# Altium PCB ROBOT_PCB_3.PcbDoc (part 1 of 3) (continued)
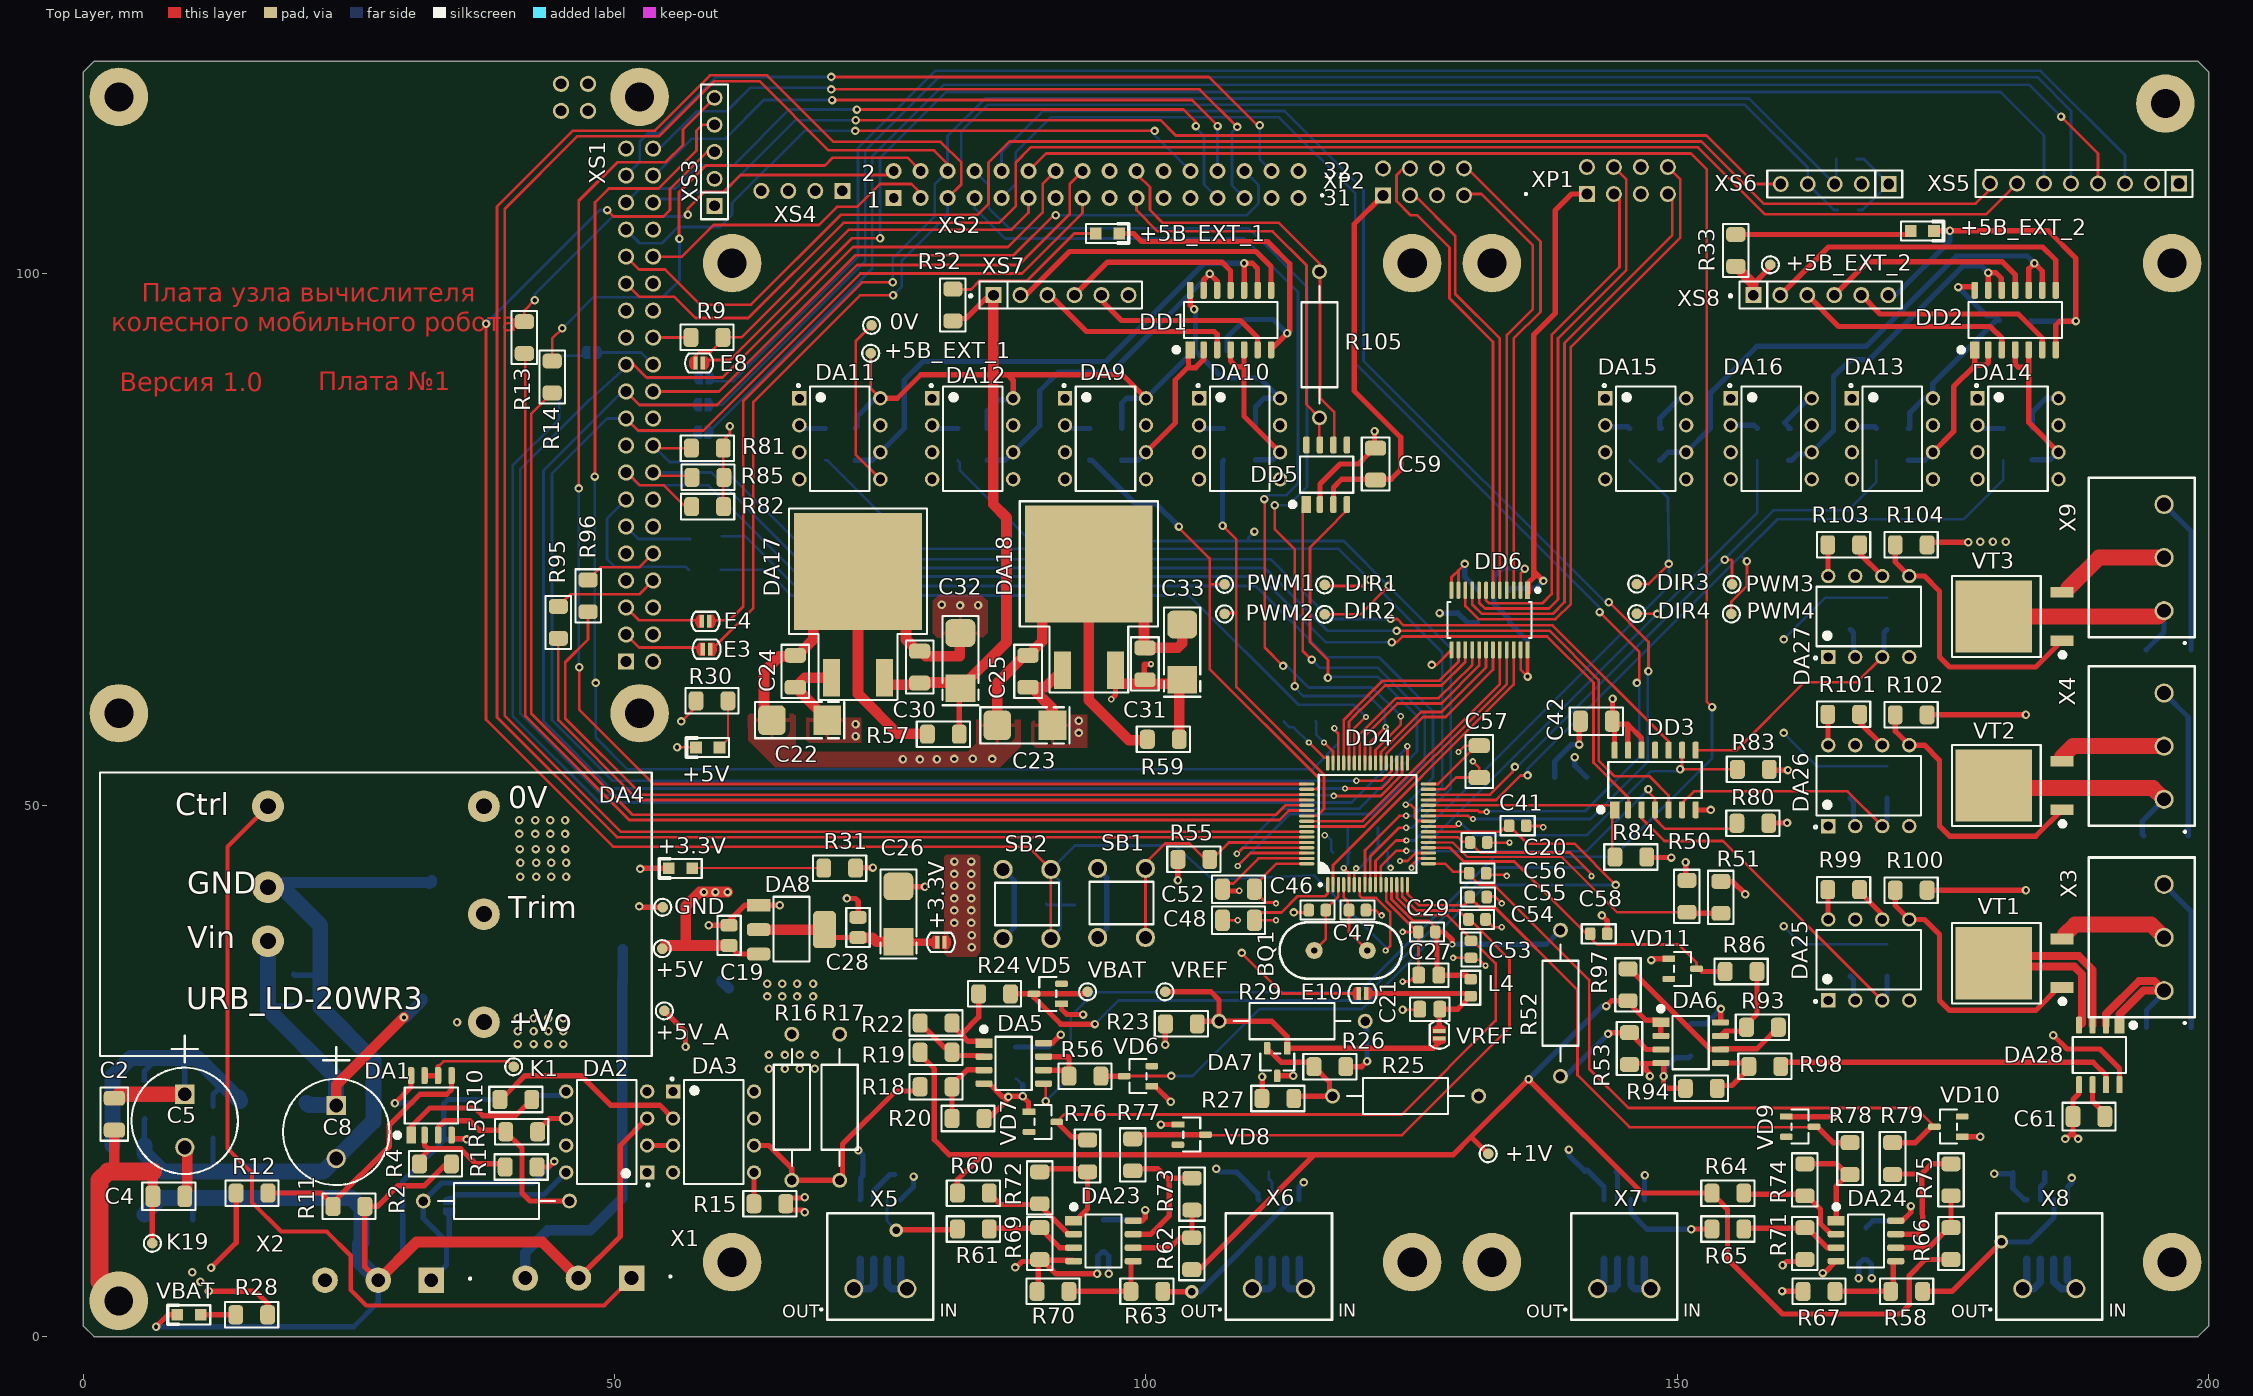
[diagram p0: Top Layer view]
## Components (designator, comment, footprint, x,y, rotation, side; value= is the part's Value field where it differs from the comment)
0V "*" E1(1MM) 74.175,95.15 r0 top (schematic designator K18)
+1V "*" E1(1MM) 132.2,17.2 r0 top (schematic designator K3)
+3.3V "ManufacturerPartNumber" E2 80.7,37.092 r180 top (schematic designator E11)
+3.3V "KP-2012SGC" LED0805 56.2,44.052 r180 top (schematic designator HL2)
+5B_EXT_1 "KP-2012SYCK" LED0805 96.37,103.8 r0 top (schematic designator HL3)
+5B_EXT_1 "*" E1(1MM) 74.1,92.525 r0 top (schematic designator K16)
+5B_EXT_2 "KP-2012SYCK" LED0805 173.05,104.025 r0 top (schematic designator HL4)
+5B_EXT_2 "*" E1(1MM) 158.75,100.85 r0 top (schematic designator K17)
+5V "KP-2012SURCK" LED0805 58.764,55.42 r180 top (schematic designator HL1)
+5V "*" E1(1MM) 54.475,36.5 r0 top (schematic designator K6)
+5V_A "*" E1(1MM) 54.675,30.65 r0 top (schematic designator K7)
BQ1 "Value" HC-49S 118.325,36.325 r180 top
BQ2 "Value" 32768SMD 120.4,47.7 r180 bottom
C1 "0,33 мк" C1206 10.3,9.3 r90 bottom
C2 "2200" C1206 2.925,20.925 r270 top
C3 "0,33 мк" C1206 5.725,22.6 r270 bottom
C4 "2200" C1206 8.05,13.2 r180 top
C5 "100 мк" Capacitor10x20 9.55,20.3 r270 top
C6 "0,1 мк" C1206 32.5,22 r0 bottom
C7 "0,1 мк" C1206 12.2,20.15 r270 bottom
C8 "100 мк" Capacitor10x20 23.8,19.25 r270 top
C9 "0,1 мк" C1206 19.8,32.6 r90 bottom
C10 "1000" R1206 33.375,31.775 r0 bottom
C11 "1000" R1206 34.275,42.95 r0 bottom
C12 "1 мк" C0805 40.5,35.147 r90 bottom
C13 "2200" C1206 49.335,33.168 r0 bottom
C14 "2200" C1206 49.267,36.458 r0 bottom
C15 "100 мк" "Case C" 43.675,35.575 r90 bottom
C16 "0,1 мк" C1206 151.25,27.9 r90 bottom
C17 "100 мк" "Case C" 61.025,30.05 r90 bottom
C18 "0,1 мк" C1206 87.75,25.75 r90 bottom
C19 "1 мк" C0805 60.763,37.75 r90 top
C20 "0,01 мк" C0603 131.3,46.495 r0 top
C21 "1 мк" C0805 126.7,30.8 r180 top
C22 "10 мк" "Case C" 67.4,58 r180 top
C23 "10 мк" "Case C" 88.6,57.511 r180 top
C24 "0,33 мк" C1206 67,62.6 r90 top
C25 "0,33 мк" C1206 88.9,62.6 r90 top
C26 "100 мкФ" "Case C" 76.7,39.756 r90 top
C27 "1 мк" C0805 126.605,34 r180 top
C28 "1 мк" C0805 72.9,38.492 r90 top
C29 "0,01 мк" C0603 126.425,38.075 r180 top
C30 "0,1 мк" C1206 78.7,63 r270 top
C31 "0,1 мк" C1206 99.9,63.3 r270 top
C32 "100 мк" "Case C" 82.535,63.6 r90 top
C33 "100 мк" "Case C" 103.4,64.4 r90 top
C34 "0,1 мк" C1206 89.1,40.7 r0 bottom
C35 "0,1 мк" C1206 106.15,92.75 r180 bottom
C36 "0,1 мк" C1206 181.8,95.6 r180 bottom
C37 "1000" C1206 74.85,15.575 r0 bottom
C38 "1000" C1206 110.05,15.475 r0 bottom
C39 "1000" C1206 142.75,15.5 r0 bottom
C40 "1000" C1206 183.06,15.401 r0 bottom
C41 "0,01 мк" C0603 134.975,48.075 r0 top
C42 "0,1 мк" C1206 142.375,57.9 r0 top
C43 "0,1 мк" C1206 114.464,57.874 r180 bottom
C44 "0,1 мк" C1206 96,9.5 r90 bottom
C45 "0,1 мк" C1206 167.75,8.75 r90 bottom
C46 "22" C0603 116.125,40.127 r180 top
C47 "22" C0603 119.9,40.127 r0 top
C48 "0,1 мк" C1206 108.7,39.171 r0 top
C49 "0,1 мк" C1206 139.95,52.625 r0 bottom
C50 "12" C0603 118.2,45.475 r180 bottom
C51 "12" C0603 121.95,45.5 r0 bottom
C52 "0,1 мк" C1206 108.7,42.1 r0 top
C53 "0,01 мк" C0603 130.575,36.433 r270 top
C54 "0,01 мк" C0603 131.15,39.25 r0 top
C55 "0,01 мк" C0603 131.25,41.35 r0 top
C56 "0,01 мк" C0603 131.2,43.6 r0 top
C57 "4,7 мк" C1206 131.35,54.1 r270 top
C58 "0,01 мк" C0603 142.6,37.9 r0 top
C59 "0,1 мк" C1206 121.6,82.1 r90 top
C60 "0,1 мк" C1206 132.75,70.225 r180 bottom
C61 "1000" C1206 188.725,20.7 r0 top
C62 "0,1 мк" C1206 132.7,67.175 r0 bottom
DA1 "LM358ADR" SOIC-8 32.75,21.75 r90 top
DA2 "6N136" 6N136 49.25,19.25 r180 top
DA3 "6N136" 6N136 59.31,19.25 r0 top
DA4 "Part Number" URB_LD-20WR3 27.54,39.74 r0 top locked
DA5 "OPA-2-8p" SOIC-8 87.55,25.705 r0 top value=LMV358IDR
DA6 "OPA-2-8p" SOIC-8 151.25,27.65 r0 top value=LMV358IDR
DA7 "ManufacturerPartNumber" SOT-23-3 112.35,25.831 r270 top value=TL431IDBZR.215
DA8 "ManufacturerPartNumber" SOT-223-3 66.65,38.292 r0 top
DA9 "6N136" 6N136 96.19,84.48 r0 top
DA10 "6N136" 6N136 108.81,84.48 r0 top
DA11 "6N136" 6N136 71.19,84.48 r0 top
DA12 "6N136" 6N136 83.69,84.48 r0 top
DA13 "6N136" 6N136 170.235,84.48 r0 top
DA14 "6N136" 6N136 182.055,84.48 r0 top
DA15 "6N136" 6N136 147.025,84.48 r0 top
DA16 "6N136" 6N136 158.835,84.48 r0 top
DA17 "ManufacturerPartNumber" D2PAK(TO-263) 72.9,67 r0 top
DA18 "ManufacturerPartNumber" D2PAK(TO-263) 94.625,67.7 r0 top
DA19 "ACS712ELCTR-05B-T" SOIC-8 75,10.075 r90 bottom
DA20 "ACS712ELCTR-05B-T" SOIC-8 112.5,10.075 r90 bottom
DA21 "ACS712ELCTR-05B-T" SOIC-8 145,10.075 r90 bottom
DA22 "ACS712ELCTR-05B-T" SOIC-8 184.8,10.075 r90 bottom
DA23 "OPA-2-8p" SOIC-8 96,9 r0 top value=LMV358IDR
DA24 "OPA-2-8p" SOIC-8 167.75,9 r0 top value=LMV358IDR
DA25 "6N136" 6N136 168.01,35.44 r90 top
DA26 "6N136" 6N136 168.01,51.84 r90 top
DA27 "6N136" 6N136 168.01,67.75 r90 top
DA28 "ACS712ELCTR-05B-T" SOIC-8 189.7,26.5 r270 top
DD1 "ManufacturerPartNumber" SOIC-14 107.96,95.65 r90 top value=SN74HC00D
DD2 "ManufacturerPartNumber" SOIC-14 181.8,95.65 r90 top value=SN74HC00D
DD3 "ManufacturerPartNumber" SOIC-14 147.9,52.37 r90 top value=SN74HC00D
DD4 "Микроконтроллер" "TI TQFP-64 PAG0064A" 120.85,48.245 r90 top locked
DD5 "MCP2551" SOIC-8 117,81.1 r90 top
DD6 "74LVC4245APW,118" TSSOP-24 132.325,67.425 r270 top
DIR1 "*" E1(1MM) 116.81,70.735 r0 top (schematic designator K12)
DIR2 "*" E1(1MM) 116.81,67.955 r0 top (schematic designator K13)
DIR3 "*" E1(1MM) 146.175,70.805 r0 top (schematic designator K14)
DIR4 "*" E1(1MM) 146.175,68.025 r90 top (schematic designator K15)
E1 "ManufacturerPartNumber" E2 34.45,12.25 r270 bottom
E2 "ManufacturerPartNumber" E2 47.85,92.6 r180 bottom
E3 "ManufacturerPartNumber" E2 58.65,64.675 r0 top
E4 "ManufacturerPartNumber" E2 58.55,67.3 r0 top
E5 "ManufacturerPartNumber" E2 58.43,90.205 r180 bottom
E6 "ManufacturerPartNumber" E2 58.325,85.1 r180 bottom
E7 "ManufacturerPartNumber" E2 58.325,87.675 r180 bottom
E8 "ManufacturerPartNumber" E2 57.95,91.6 r180 top
E10 "ManufacturerPartNumber" E2 120.375,32.275 r180 top
GND "*" E1(1MM) 54.525,40.394 r0 top (schematic designator K5)
K1 "*" E1(1MM) 40.5,25.385 r0 top
K19 "*" E1(1MM) 6.5,8.775 r0 top
L1 "Value" ACM7060-701-2PL-TL01 2.75,14.75 r90 bottom
L2 "4,7 мкГн" B82472G6472M000 17.8,22 r0 bottom
L3 "4,7 мкГн" B82472G6472M000 50.9,28 r0 bottom
L4 "18 мГн" R0603 130.55,32.825 r90 top
PWM1 "*" E1(1MM) 107.39,70.78 r270 top (schematic designator K8)
PWM2 "*" E1(1MM) 107.39,68 r90 top (schematic designator K9)
PWM3 "*" E1(1MM) 155.15,70.78 r270 top (schematic designator K10)
PWM4 "*" E1(1MM) 155.078,68 r0 top (schematic designator K11)
R1 "100 к" R1206 41.2,15.95 r0 top
R2 "20 к" С2-29В 32,12.75 r0 top
R3 "0" R1206 40.925,22.3 r0 bottom
R4 "30 к" R1206 33.135,16.25 r0 top
R5 "0" R1206 41.25,19.27 r0 top
R6 "1 к" R1206 58.58,75.3 r180 bottom
R7 "1 к" R1206 58.475,72.15 r180 bottom
R8 "1 к" R1206 44.8,90.8 r90 bottom
R9 "1 к" R1206 58.688,94.025 r180 top
R10 "2 к" R1206 40.7,22.3 r180 top
R11 "100 к" R1206 25,12.25 r0 top
R12 "100 к" R1206 15.88,13.5 r0 top
R13 "150" R1206 41.5,94 r270 top
R14 "150" R1206 44.125,90.3 r270 top
R15 "0" R1206 64.6,12.5 r0 top
R16 "8,25 к" С2-29В 66.675,14.7 r90 top
R17 "9,09 к" С2-29В 71.175,14.7 r90 top
R18 "10 к" R1206 80.25,23.5 r0 top
R19 "10 к" R1206 80.25,26.75 r0 top
R20 "100 к" R1206 83.25,20.52 r180 top
R21 "0" R1206 57.179,34.703 r270 bottom
R22 "100 к" R1206 80.25,29.5 r180 top
R23 "200" R1206 103.325,29.425 r0 top
R24 "2 к" R1206 85.75,32.25 r0 top
R25 "100 к" С2-29В 131.3,22.625 r180 top
R26 "2,2 к" R1206 117.3,25.4 r0 top
R27 "10 к" R1206 112.4,22.4 r0 top
R28 "10 к" R1206 15.85,2.05 r180 top
R29 "715" С2-29В 120.625,29.675 r180 top
R30 "1 к" R1206 59.163,59.82 r0 top
R31 "1 к" R1206 71.175,44.075 r180 top
R32 "1 к" R1206 81.825,97.075 r90 top
R33 "1 к" R1206 155.5,102.2 r90 top
R34 "1 к" R1206 94.715,83.945 r90 bottom
R35 "1 к" R1206 107.3,83.945 r90 bottom
R36 "1 к" R1206 69.815,83.945 r90 bottom
R37 "1 к" R1206 82.28,83.945 r270 bottom
R38 "1 к" R1206 168.725,83.945 r90 bottom
R39 "1 к" R1206 180.675,83.945 r90 bottom
R40 "1 к" R1206 145.515,83.945 r90 bottom
R41 "1 к" R1206 157.525,83.945 r270 bottom
R42 "10 к" R1206 97.715,83.945 r90 bottom
R43 "10 к" R1206 110.3,84 r90 bottom
R44 "10 к" R1206 72.615,83.945 r90 bottom
R45 "10 к" R1206 85.06,83.945 r90 bottom
R46 "10 к" R1206 171.735,83.945 r90 bottom
R47 "10 к" R1206 183.4,84 r90 bottom
R48 "10 к" R1206 148.35,83.945 r90 bottom
R49 "10 к" R1206 160.175,83.945 r90 bottom
R50 "10 к" R1206 150.9,41.427 r90 top
R51 "10 к" R1206 154.1,41.327 r90 top
R52 "23 к" С2-29В 139,24.49 r90 top
R53 "10 к" R1206 145.5,27.1 r90 top
R54 "10 к" R1206 94.8,40.6 r180 bottom
R55 "10 к" R1206 104.5,44.9 r0 top
R56 "2 к" R1206 94.25,24.5 r0 top
R57 "100 к" R1206 80.925,56.681 r0 top
R58 "10 к" R1206 171.58,4.25 r180 top
R59 "100 к" R1206 101.625,56.2 r0 top
R60 "10 к" R1206 83.75,13.5 r0 top
R61 "10 к" R1206 83.75,10.115 r0 top
R62 "10 к" R1206 104.3,7.8 r90 top
R63 "10 к" R1206 100.08,4.25 r180 top
R64 "10 к" R1206 154.75,13.5 r0 top
R65 "10 к" R1206 154.75,10.115 r0 top
R66 "10 к" R1206 175.75,8.75 r90 top
R67 "10 к" R1206 163.33,4.25 r180 top
R68 "100 к" R1206 37.323,35.354 r270 bottom
R69 "10 к" R1206 90,8.75 r270 top
R70 "10 к" R1206 91.25,4.25 r180 top
R71 "10 к" R1206 162,8.75 r270 top
R72 "10 к" R1206 90,14 r90 top
R73 "10 к" R1206 104.325,13.4 r90 top
R74 "10 к" R1206 162,14.75 r90 top
R75 "10 к" R1206 175.75,14.75 r90 top
R76 "2 к" R1206 94.5,17 r90 top
R77 "2 к" R1206 98.75,17.1 r90 top
R78 "2 к" R1206 166.25,16.75 r90 top
R79 "2 к" R1206 170.25,16.75 r90 top
R80 "100 к" R1206 157.1,48.3 r0 top
R81 "100 к" R1206 58.725,83.6 r0 top
R82 "100 к" R1206 58.75,78.1 r0 top
R83 "100 к" R1206 157.15,53.375 r0 top
R84 "100 к" R1206 145.619,45.127 r0 top
R85 "100 к" R1206 58.775,80.85 r0 top
R86 "2 к" R1206 156,34.35 r180 top
R87 "100 к" R1206 169.72,68.03 r90 bottom
R88 "100 к" R1206 169.72,35.41 r90 bottom
R89 "100 к" R1206 169.72,52.15 r90 bottom
R90 "1 к" R1206 166.28,35.41 r90 bottom
R91 "1 к" R1206 166.28,52.15 r90 bottom
R92 "1 к" R1206 166.28,68.03 r90 bottom
R93 "10 к" R1206 158,29.1 r180 top
R94 "10 к" R1206 152.25,23.35 r180 top
R95 "150" R1206 44.7,67.2 r270 top
R96 "150" R1206 47.5,69.7 r270 top
R97 "10 к" R1206 145.35,33.1 r90 top
R98 "10 к" R1206 158.225,25.425 r180 top
R99 "1 к" R1206 165.65,42.05 r180 top
R100 "10 к" R1206 172,42 r180 top
R101 "1 к" R1206 165.65,58.55 r180 top
R102 "10 к" R1206 172,58.5 r180 top
R103 "1 к" R1206 165.65,74.5 r180 top
R104 "10 к" R1206 172,74.5 r180 top
R105 "120" С2-29В 116.325,100.2 r270 top
R106 "4,7 к" R0805 165.9,110.8 r180 bottom
R107 "4,7 к" R0805 166.05,106 r180 bottom
SB1 "Value" KLS7-TS6601-7.0-180 97.7,40.8 r180 top
SB2 "Value" KLS7-TS6601-7.0-180 88.8,40.7 r0 top
VBAT "KP-2012SYCK" LED0805 9.95,2.05 r180 top (schematic designator HL5)
VBAT "*" E1(1MM) 94.5,32.442 r0 top (schematic designator K2)
VD1 "SM6T36CA" DO-214AA 23.85,8.7 r180 bottom
VD2 "Value" B340A 16.275,7.925 r0 bottom
VD3 "Value" B340A 16.4,4.525 r0 bottom
VD4 "SM6T36CA" DO-214AA 32.25,8.75 r0 bottom
VD5 "Suppressor" SOT-23-3 90.75,32.25 r180 top value=BZX84-C3V3
VD6 "Suppressor" SOT-23-3 99.25,24.5 r180 top value=BZX84-C3V3
VD7 "Suppressor" SOT-23-3 90.3,20.2 r0 top value=BZX84-C3V3
VD8 "Suppressor" SOT-23-3 104.3,19 r0 top value=BZX84-C3V3
VD9 "Suppressor" SOT-23-3 161.55,19.75 r0 top value=BZX84-C3V3
VD10 "Suppressor" SOT-23-3 175.5,19.75 r180 top value=BZX84-C3V3
VD11 "Suppressor" SOT-23-3 150.5,34.6 r0 top value=BZX84-C3V3
VD12 "Value" B340A 195.975,47.125 r180 bottom
VD13 "Value" B340A 196.225,64.625 r180 bottom
VD14 "Value" B340A 195.95,29.1 r180 bottom
VREF "ManufacturerPartNumber" E2 127.6,28.4 r90 top (schematic designator E9)
VREF "*" E1(1MM) 101.8,32.442 r0 top (schematic designator K4)
VT1 "IRFR024NTR" DPAK 181.74,35.13 r180 top
VT2 "IRFR024NTR" DPAK 181.74,51.85 r180 top
VT3 "IRFR024NTR" DPAK 181.74,67.75 r180 top
X1 "KLS2-300-5.00-03P-2S" KLS2-300-5.00-03P-2S 51.595,5.5 r180 top
X2 "KLS2-300-5.00-03P-2S" KLS2-300-5.00-03P-2S 32.75,5.3 r180 top
X3 "XY301RA-5.0-3P-12" XY301RA-5.0-3P-12 195.8,32.55 r90 top
X4 "XY301RA-5.0-3P-12" XY301RA-5.0-3P-12 195.8,50.55 r90 top
X5 "KLS2-301R-5.00-02P-2S" KLS2-301R-5.00-02P-2S 72.5,4.5 r0 top locked
X6 "KLS2-301R-5.00-02P-2S" KLS2-301R-5.00-02P-2S 110,4.5 r0 top locked
X7 "KLS2-301R-5.00-02P-2S" KLS2-301R-5.00-02P-2S 142.5,4.5 r0 top locked
X8 "KLS2-301R-5.00-02P-2S" KLS2-301R-5.00-02P-2S 182.5,4.5 r0 top locked
X9 "XY301RA-5.0-3P-12" XY301RA-5.0-3P-12 195.8,68.3 r90 top
XP1 "IDC-08MR" SAMTEC_TST-104-04-T-D-RA 141.485,107.51 r0 top
XP2 "IDC-08MR" SAMTEC_TST-104-04-T-D-RA 122.305,107.385 r0 top
XS1 "PBD-40" "RPI4B - DUPLICATE" 27.85,97.65 r90 top locked
XS2 "PBD-30" PBD-32R 76.25,107.135 r0 top locked
XS3 "PBS-5" PBS-5 59.4,111.48 r90 top locked
XS4 "PBS-4" TYPE-C 68.885,107.8 r180 top locked
XS5 "PBS-8" PBS-8 189.58,108.5 r180 top locked
XS6 "PBS-5" PBS-5 164.81,108.45 r180 top
XS7 "CON-6F driver" DRIVER 61.05,7 r0 top locked
XS8 "CON-6F driver" DRIVER 132.55,7 r0 top locked

## Footprints (in the part's own frame and the unit in brackets; to place one, negate y for a bottom-side part, rotate by r counter-clockwise, add the part's x,y. Pads: shape width x height; smd on the part's side, far side on the other; paste and mask are expansions set on the pad)
6N136 [mm]
  rect 1.35x1.35 hole 0.85: 1(-3.81,3.81)
  round 1.35 hole 0.85: 2(-3.81,1.27) 3(-3.81,-1.27) 4(-3.81,-3.81) 5(3.81,-3.81) 6(3.81,-1.27) 7(3.81,1.27) 8(3.81,3.81)
  silkscreen extent -4.04,-4.9 2.8,5.14, body extent -3.98,-4.83 3.94,4.83, height 5.08
32768SMD [mm] "32768SMD"
  rect 1.5x1.95 smd: 1(-1.425,0) 2(1.425,0)
  silkscreen extent -0.3,-0.88 0.3,0.87, body extent -1.75,-0.9 1.75,0.9, height 1
ACM7060-701-2PL-TL01 [mm]
  rect 2.5x1.5 smd: 1(-3.25,3) 2(-3.25,0) 3(3.25,0) 4(3.25,3)
  silkscreen extent -4.95,-1.22 4.92,4.2
B340A [mm] "(SMA) Low profile package"
  rrect40% 2.2x2 smd: A(2.1,0)
  rect 2.2x2 smd: C(-2.1,0)
  silkscreen extent -2.3,-1.5 2.3,1.5, body extent -2.6,-1.3 2.6,1.3, height 2.4
B82472G6472M000 [mm]
  rect 1.5x2.5 smd: 1(-3.2,0) 2(3.2,0)
  silkscreen extent -3.7,-3.7 3.7,3.7, body extent -3.65,-3.65 3.65,3.65, height 3.5
C0603 [mm] "1608(Metric)"
  rrect50% 1x1.2 smd: 1(-0.8,0) 2(0.8,0)
  silkscreen extent -1.6,-0.9 1.6,0.9, body extent -0.8,-0.5 0.8,0.5, height 1.1
C0805 [mm] "2012(Metric)"
  rrect50% 1.2x1.6 smd: 1(-0.95,0) 2(0.95,0)
  silkscreen extent -1.85,-1.1 1.85,1.1, body extent -1,-0.72 1,0.73, height 1.5
C1206 [mm] "3216(Metric)"
  rrect50% 1.4x2 smd: 1(-1.5,0) 2(1.5,0)
  silkscreen extent -2.5,-1.3 2.5,1.3, body extent -1.6,-0.9 1.6,0.9, height 1.5
Capacitor10x20 [mm]
  round 1.8 hole 1.3: n(2.5,0)
  rect 1.8x1.8 hole 1.3: p(-2.5,0)
  silkscreen extent -8,-5 5,5, body extent -5,-5 5,5, height 21
"Case C" [mm] "C6032-P"
  rrect40% 2.6x2.8 smd: n(2.6,0)
  rect 2.6x2.8 smd: p(-2.6,0)
  silkscreen extent -4.2,-1.7 4.2,1.7, body extent -3.15,-1.7 3.15,1.7, height 2.8
D2PAK(TO-263) [mm]
  rect 1.6x3.5 smd: 1(-2.5,-5) 3(2.5,-5)
  rect 12x11 smd: 2(0,5)
  silkscreen extent -6.5,-7.1 6.5,10.9, body extent -5,-5.78 5,10.1, height 4.3
DO-214AA [mm] "(SMB) Low profile package"
  rrect40% 2.6x2.4 smd: 1(2.2,0)
  rect 2.6x2.4 smd: 2(-2.2,0)
  silkscreen extent -2.8,-2 2.8,2, body extent -2.83,-1.97 2.83,1.98, height 2.45
DPAK [mm] "КТ-89, TO252"
  rect 2.2x1 smd: 1(-4.45,2.28) 3(-4.45,-2.28)
  rect 7.2x6.8 smd: 2(1.95,0)
  silkscreen extent -4.7,-3.8 5.9,3.8, body extent -4.97,-3.29 4.73,3.29, height 2.3
DRIVER [mm]
  rect 1.5x1.5 hole 1: 1(24.6,91)
  round 1.5 hole 1: 2(27.14,91) 3(29.68,91) 4(32.22,91) 5(34.76,91) 6(37.3,91)
  round 5.5 hole 2.75: S4(0,0) S4(0,94) S4(64,0) S4(64,94)
  silkscreen extent 22.33,89.73 38.57,92.27, body extent 23.34,89.71 38.58,92.24, height 8.6
E1(1MM) [mm]
  round 1 smd: 1(0,0)
  silkscreen extent -0.8,-0.8 0.8,0.8
E2 [mm] "Перемычка"
  rect 0.4x1.2 smd mask+0.1: 1(-0.35,0) 2(0.35,0)
  Top Layer region: -0.15,0.6 -0.7,0.6 -0.886,0.326 -0.953,0.002 -0.891,-0.323 -0.709,-0.6 -0.7,-0.6 -0.15,-0.6
  Top Layer region: 0.15,-0.6 0.7,-0.6 0.923,-0.221 0.926,0.218 0.709,0.6 0.7,0.6 0.15,0.6
  silkscreen extent -1.32,-0.9 1.32,0.9
HC-49S [mm] "HC49 Short Through-hole Mount Footprint"
  round 1.6 hole 0.6: 1(-2.5,0) 3(2.5,0)
  silkscreen extent -5.75,-2.65 5.75,2.65, body extent -5.68,-2.3 5.68,2.35, height 5
KLS2-300-5.00-03P-2S [mm]
  rect 2.4x2.4 / inner round 2.4 / far side rect 2.4x2.4 hole 1.3: 1(0,0)
  round 2.4 hole 1.3: 2(5,0) 3(10,0)
  silkscreen extent -3.75,-0.25 -3.55,-0.05, body extent -2.6,-4.8 13,4.2, height 12.6
KLS2-301R-5.00-02P-2S [mm]
  round 1.8 hole 1.3: 1(0,0) 2(5,0)
  silkscreen extent -3.15,-2.9 7.5,7.1, body extent -2.62,-3.02 7.62,7.22, height 7.7
KLS7-TS6601-7.0-180 [mm]
  round 1.8 hole 1.2: 1(-2.25,3.25) 1(-2.25,-3.25) 2(2.25,3.25) 2(2.25,-3.25)
  silkscreen extent -3,-2 3,2, body extent -3,-3.75 3,3.75, height 7
LED0805 [mm]
  rect 1.1x1.1 smd: a(-1.1,0) c(1.1,0)
  silkscreen extent -2,-0.9 2,0.9, body extent -1,-0.62 1,0.63, height 0.73
PBD-32R [mm] "Connector; Header; 3x2 Position"
  rect 1.5x1.5 hole 0.9: 1(0,0)
  round 1.5 hole 0.9: 2(0,2.54) 3(2.54,0) 4(2.54,2.54) 5(5.08,0) 6(5.08,2.54) 7(7.62,0) 8(7.62,2.54) 9(10.16,0) 10(10.16,2.54) 11(12.7,0) 12(12.7,2.54) 13(15.24,0) 14(15.24,2.54) 15(17.78,0) 16(17.78,2.54) 17(20.32,0) 18(20.32,2.54) 19(22.86,0) 20(22.86,2.54) 21(25.4,0) 22(25.4,2.54) 23(27.94,0) 24(27.94,2.54) 25(30.48,0) 26(30.48,2.54) 27(33.02,0) 28(33.02,2.54) 29(35.56,0) 30(35.56,2.54) 31(38.1,0) 32(38.1,2.54)
  body extent -1.27,-0.3 39.37,12.7, height 5
PBS-5 [mm]
  rect 1.5x1.5 hole 1: 1(-5.08,0)
  round 1.5 hole 1: 2(-2.54,0) 3(0,0) 4(2.54,0) 5(5.08,0)
  silkscreen extent -6.35,-1.27 6.35,1.27, body extent -6.35,-1.29 6.35,1.25, height 8.5
PBS-8 [mm]
  rect 1.5x1.5 hole 1: 1(-7.62,0)
  round 1.5 hole 1: 2(-5.08,0) 3(-2.54,0) 4(0,0) 5(2.54,0) 6(5.08,0) 7(7.62,0) 8(10.16,0)
  silkscreen extent -8.89,-1.27 11.53,1.27, body extent -8.89,-1.27 11.43,1.27, height 8.6
R0603 [mm] "1608(Metric)"
  rrect50% 1x1.2 smd: 1(-0.8,0) 2(0.8,0)
  silkscreen extent -1.6,-0.9 1.6,0.9, body extent -0.83,-0.5 0.83,0.5, height 0.4
R0805 [mm] "2012(Metric)"
  rrect50% 1.2x1.6 smd: 1(-0.95,0) 2(0.95,0)
  silkscreen extent -1.85,-1.1 1.85,1.1, body extent -1.03,-0.72 1.03,0.73, height 0.45
R1206 [mm] "3216M"
  rrect50% 1.4x1.8 smd: 1(-1.5,0) 2(1.5,0)
  silkscreen extent -2.5,-1.2 2.5,1.2, body extent -1.63,-0.9 1.63,0.9, height 0.5
"RPI4B - DUPLICATE" [mil]
  rect 60x60 / inner round 60 / far side rect 60x60 hole 40: 1(-1343.7,-914.57)
  round 60 hole 40: 2(-1343.7,-1014.57) 3(-1243.7,-914.57) 4(-1243.7,-1014.57) 5(-1143.7,-914.57) 6(-1143.7,-1014.57) 7(-1043.7,-914.57) 8(-1043.7,-1014.57) 9(-943.7,-914.57) 10(-943.7,-1014.57) 11(-843.7,-914.57) 12(-843.7,-1014.57) 13(-743.7,-914.57) 14(-743.7,-1014.57) 15(-643.7,-914.57) 16(-643.7,-1014.57) 17(-543.7,-914.57) 18(-543.7,-1014.57) 19(-443.7,-914.57) 20(-443.7,-1014.57) 21(-343.7,-914.57) 22(-343.7,-1014.57) 23(-243.7,-914.57) 24(-243.7,-1014.57) 25(-143.7,-914.57) 26(-143.7,-1014.57) 27(-43.7,-914.57) 28(-43.7,-1014.57) 29(56.3,-914.57) 30(56.3,-1014.57) 31(156.3,-914.57) 32(156.3,-1014.57) 33(256.3,-914.57) 34(256.3,-1014.57) 35(356.3,-914.57) 36(356.3,-1014.57) 37(456.3,-914.57) 38(456.3,-1014.57) 39(556.3,-914.57) 40(556.3,-1014.57) 41(796.46,-673.5) 42(796.46,-773.5) 43(696.46,-673.5) 44(696.46,-773.5)
  round 216.54 hole 108.27: S1(-1535.43,964.57) S2(748.03,964.57) S3(748.03,-964.57) S4(-1535.43,-964.57)
  body extent -1394,-1065 606,-865, height 343
SAMTEC_TST-104-04-T-D-RA [mm]
  rect 1.5x1.5 hole 1.02: 1(0,0)
  round 1.5 hole 1.02: 2(0,2.54) 3(2.54,0) 4(2.54,2.54) 5(5.08,0) 6(5.08,2.54) 7(7.62,0) 8(7.62,2.54)
  silkscreen extent -5.83,-0.1 -5.63,0.1, body extent -5.09,-0.33 12.69,12.31, height 9.3
SOIC-8 [mm] "4320.8-А Small Outline; 8 Leads; Body Width 3.9 mm; Pitch 1.27 mm"
  rect 1.6x0.9 smd: 1(-2.8,1.905)
  rrect50% 1.6x0.6 smd: 2(-2.8,0.635) 3(-2.8,-0.635) 4(-2.8,-1.905) 5(2.8,-1.905) 6(2.8,-0.635) 7(2.8,0.635) 8(2.8,1.905)
  silkscreen extent -3,-2.5 1.7,3.4, body extent -3.1,-2.5 3.1,2.5, height 1.73
SOIC-14 [mm] "JEDEC MS-012"
  rect 1.6x0.9 smd: 1(-2.8,3.81)
  rrect50% 1.6x0.6 smd: 2(-2.8,2.54) 3(-2.8,1.27) 4(-2.8,0) 5(-2.8,-1.27) 6(-2.8,-2.54) 7(-2.8,-3.81) 8(2.8,-3.81) 9(2.8,-2.54) 10(2.8,-1.27) 11(2.8,0) 12(2.8,1.27) 13(2.8,2.54) 14(2.8,3.81)
  silkscreen extent -3,-4.4 1.7,5.3, body extent -3.1,-4.4 3.1,4.4, height 1.73
SOT-23-3 [mm] "TO-236, SOT-346, SC59"
  rect 1.2x0.6 smd: 1(-1.3,0.95)
  rrect50% 1.2x0.6 smd: 2(-1.3,-0.95) 3(1.3,0)
  silkscreen extent -0.8,-1.6 0.8,1.6, body extent -1.17,-1.46 1.17,1.46, height 1
SOT-223-3 [mm]
  rect 2.2x1.2 smd: 1(-3.1,2.3)
  rrect50% 2.2x1.2 smd: 2(-3.1,0) 3(-3.1,-2.3)
  rrect40% 2.2x3.5 smd: 2(3.1,0)
  silkscreen extent -1.7,-3 1.7,3.09, body extent -3.5,-3.25 3.5,3.25, height 1.83
"TI TQFP-64 PAG0064A" [mm] "TQFP-64 Package , 64-Leades, 10.00 x 10.00 mm Body , 0.5 mm Pitch"
  oval 1.45x0.3 smd: 1(-5.725,3.75) 2(-5.725,3.25) 3(-5.725,2.75) 4(-5.725,2.25) 5(-5.725,1.75) 6(-5.725,1.25) 7(-5.725,0.75) 8(-5.725,0.25) 9(-5.725,-0.25) 10(-5.725,-0.75) 11(-5.725,-1.25) 12(-5.725,-1.75) 13(-5.725,-2.25) 14(-5.725,-2.75) 15(-5.725,-3.25) 16(-5.725,-3.75) 33(5.725,-3.75) 34(5.725,-3.25) 35(5.725,-2.75) 36(5.725,-2.25) 37(5.725,-1.75) 38(5.725,-1.25) 39(5.725,-0.75) 40(5.725,-0.25) 41(5.725,0.25) 42(5.725,0.75) 43(5.725,1.25) 44(5.725,1.75) 45(5.725,2.25) 46(5.725,2.75) 47(5.725,3.25) 48(5.725,3.75)
  oval 0.3x1.45 smd: 17(-3.75,-5.725) 18(-3.25,-5.725) 19(-2.75,-5.725) 20(-2.25,-5.725) 21(-1.75,-5.725) 22(-1.25,-5.725) 23(-0.75,-5.725) 24(-0.25,-5.725) 25(0.25,-5.725) 26(0.75,-5.725) 27(1.25,-5.725) 28(1.75,-5.725) 29(2.25,-5.725) 30(2.75,-5.725) 31(3.25,-5.725) 32(3.75,-5.725) 49(3.75,5.725) 50(3.25,5.725) 51(2.75,5.725) 52(2.25,5.725) 53(1.75,5.725) 54(1.25,5.725) 55(0.75,5.725) 56(0.25,5.725) 57(-0.25,5.725) 58(-0.75,5.725) 59(-1.25,5.725) 60(-1.75,5.725) 61(-2.25,5.725) 62(-2.75,5.725) 63(-3.25,5.725) 64(-3.75,5.725)
  silkscreen extent -5.85,-4.7 4.7,4.7, body extent -6,-6 6,6, height 1.2
TSSOP-24 [mm]
  rect 1.6x0.5 smd mask+0.2: 1(-2.8,3.575)
  rrect50% 1.6x0.35 smd mask+0.2: 2(-2.8,2.925) 3(-2.8,2.275) 4(-2.8,1.625) 5(-2.8,0.975) 6(-2.8,0.325) 7(-2.8,-0.325) 8(-2.8,-0.975) 9(-2.8,-1.625) 10(-2.8,-2.275) 11(-2.8,-2.925) 12(-2.8,-3.575) 13(2.8,-3.575) 14(2.8,-2.925) 15(2.8,-2.275) 16(2.8,-1.625) 17(2.8,-0.975) 18(2.8,-0.325) 19(2.8,0.325) 20(2.8,0.975) 21(2.8,1.625) 22(2.8,2.275) 23(2.8,2.925) 24(2.8,3.575)
  silkscreen extent -2.9,-3.95 1.7,4.65, body extent -3.3,-3.95 3.3,3.95, height 1.18
TYPE-C [mm]
  rect 1.5x1.5 hole 1: 1(-2.54,0)
  round 1.5 hole 1: 2(0,0) 3(2.54,0) 4(5.08,0)
URB_LD-20WR3 [mm]
  round 3 hole 1.5: 1(-10.16,10.16) 2(-10.16,2.54) 3(-10.16,-2.54) 4(10.16,-10.16) 5(10.16,0) 6(10.16,10.16)
  silkscreen extent -25.95,-13.35 25.95,13.35, body extent -25.4,-12.7 25.4,12.7, height 12
XY301RA-5.0-3P-12 [mm]
  round 1.8 hole 1.3: 1(0,0) 2(5,0) 3(10,0)
  silkscreen extent -3.15,-2.9 12.53,7.1, body extent -2.62,-3.02 12.47,7.22, height 7.7
С2-29В [mm]
  round 1.4 hole 0.9: 1(0,0) 2(13.75,0)
  silkscreen extent 1.38,-1.7 12.37,1.7, body extent -0.3,-1.75 14.05,1.75, height 4.5

## Part data
0V +1V +5B_EXT_1 +5B_EXT_2 +5V +5V_A DIR1 DIR2 DIR3 DIR4 GND K1 K19 PWM1 PWM2 PWM3 PWM4 VBAT VREF: library part КТ, "Контрольная точка", Type="Неразборное соединение"
+3.3V E1 E2 E3 E4 E5 E6 E7 E8 E10 VREF: library part E, "Перемычка", Type=Перемычка
+3.3V: Color=Green, Forward Current=25mA, Forward Voltage=2.5V, Manufacturer=Kingbright, Power Dissipation=62.5mW, Working Temperature Max=+85°С, Working Temperature Min=-40°С, Application Category=1, Article 1C=062604, ID=21, Leds=1, Part Number=KP-2012SGC, Type="Индикатор единичный"
+5B_EXT_1 +5B_EXT_2 VBAT: Color=Yellow, Forward Current=30mA, Forward Voltage=2.5V, Manufacturer=Kingbright, Power Dissipation=75mW, Working Temperature Max=+85°С, Working Temperature Min=-40°С, Application Category=1, Article 1C=0961238, ID=22, Leds=1, Luminous Flux=150, Part Number=KP-2012SYCK, Type="Индикатор единичный"
+5V: Color=Red, Forward Current=30mA, Forward Voltage=2.5V, Manufacturer=Kingbright, Power Dissipation=75mW, Working Temperature Max=+85°С, Working Temperature Min=-40°С, Application Category=1, Article 1C=-, ID=23, Leds=1, Luminous Flux=150, Part Number=KP-2012SURCK, Type="Индикатор единичный"
BQ1: library part HC-49S_8MHZ, Manufacturer=Китай, Part Number=8.000MHzHC-49US, Article=297062262, Price=38, Type="Резонатор кварцевый"
BQ2: library part 32768hz, "Кварцевый резонатор", Manufacturer=Китай, Article=9000372611, Part Number=32768hz, Price=98, Type="Резонатор кварцевый"
C1 C3 C24 C25: library part C1206C334K1RECAUTO7210, "Конденсатор 0,33 мкФ 100 В", Manufacturer=Kemet, Voltage="100 В", Article=8005311007, Part Number=C1206C334K1RECAUTO7210, Price=88, Type=Конденсатор
C2 C4 C13 C14: library part TCC1206X7R222J102DT, "Конденсатор 2200 пФ 1000 В", Manufacturer=CCTC, Voltage="1000 В", Article=9001208170, Part Number=TCC1206X7R222J102DT, Price=2, Type=Конденсатор
C5 C8: library part JRB2A101M05001000200000B, "Конденсатор электролитический алюминиевый", Manufacturer="JB Capactiors", Article=9000565887, Part Number=JRB2A101M05001000200000B, Price=24, Type=Конденсатор
C6 C7 C9 C16 C18 C30 C31 C34 C35 C36 C42 C43 C44 C45 C48 C49 C52 C59 C60 C62: library part "0.1 мкФ Х7R 100В 10% 1206", "Конденсатор 0,1 мкФ 100 В", Manufacturer=Китай, Voltage="1 кВ", Part Number="0.1 мкФ Х7R 100В 10% 1206", Price=6, Type=Конденсатор
C10 C11: library part GRM31BR73A102K, "Конденсатор 1000пФ", Manufacturer=Murata, Voltage="1 кВ", Article=961638233, Part Number=GRM31BR73A102K, Price=24, Type=Конденсатор
C12 C19 C21 C27 C28: library part "1 мкФ X7R 16В 10% 0805", "Конденсатор 1 мкФ 16 В", Manufacturer=Китай, Voltage="16 В", Article=768017701, Part Number="1 мкФ X7R 16В 10% 0805", Price=9, Type=Конденсатор
C15 C17 C32 C33: library part TECAP100/10VC, "Конденсатор танталовый 100 мкФ", Manufacturer=TECAP, Part Number="TECAP100/10VC, 10%", Article=9000629231, Price=39, Type=Конденсатор
C20 C29 C41 C53 C54 C55 C56 C58: library part "0.01 мкФ  X7R 50В 10% 0603", "Конденсатор 0,01 мкФ 50 В", Manufacturer=Murata, Voltage="50 В", Article=238964796, Part Number="0.01 мкФ  X7R 50В 10% 0603", Price=7, Type=Конденсатор
C22 C23: library part TECAP10/35VC, "Конденсатор танталовый 10 мкФ", Manufacturer=TECAP, Part Number="TECAP10/35VC, 10%", Voltage="35 В", Article=9000629228, Price=46, Type=Конденсатор
C26: library part "TECAP100/10VC, 10%", "Конденсатор танталовый 100 мкФ", Manufacturer=TECAP, Part Number="TECAP100/10VC, 10%", Price=39, Type=Конденсатор
C37 C38 C39 C40 C61: library part "1000пФ X7R 50В 10% 1206", "Конденсатор 1000пФ 50 В", Manufacturer=Китай, Voltage="50 В", Article=9000028006, Part Number="1000пФ X7R 50В 10% 1206", Price=9, Type=Конденсатор
C46 C47: library part GRM1885C1H220JA01D, "Конденсатор", Dielectric Type=NP0, Manufacturer=Murata, Tolerance=±5%, Voltage=50В, Working Temperature Max=+125°С, Working Temperature Min=-55°С, Application Category=1, ID=122, Part Number=GRM1885C1H220JA01D, Partnumber=GRM1885C1H220JA01D, Type=Конденсатор
C50 C51: library part GRM1885C1H120JA01D, "Конденсатор", Dielectric Type=NP0, Manufacturer=Murata, Tolerance=±5%, Voltage=50В, Working Temperature Max=+125°С, Working Temperature Min=-55°С, Application Category=1, ID=121, Part Number=GRM1885C1H120JA01D, Partnumber=GRM1885C1H120JA01D, Type=Конденсатор
C57: library part C3216X7R1E475KT000N, "Конденсатор 4,7 мкФ 25 В", Manufacturer=TDK, Voltage="25 В", Article=8017208948, Part Number=C3216X7R1E475KT000N, Price=22, Type=Конденсатор
DA1: "Операционный усилитель", Manufacturer=UMW, Package=SOP-8, Article=9001105975, Part Number=LM358ADR, Price=9, Type=Микросхема
DA2 DA3 DA9 DA10 DA11 DA12 DA13 DA14 DA15 DA16 DA25 DA26 DA27: "Оптопара транзисторная", Manufacturer=UMW, Package=dip-8, Article=9001106156, Part Number=6N136, Price=36, Type=Микросхема
DA4: library part "DC-DC URB2405LD-20WR3", "DC/DC преобразователь", Manufacturer=URB2405LD-20WR3, Part Number=Mornsun, Price=900, Type="Модуль питания"
DA5 DA6 DA23 DA24: library part LMV358IDR, Supply Current=210uA, Application Category=1, Bandwidth=1MHz, ID=45, Part Number=LMV358IDR, Rail-to-Rail=+\+, Slew Rate=1V/µs, Supply Operation=+2.7…5.5V, Type=Микросхема
DA7: library part TL431IDBZR.215, "Источник опорного напряжения", Input Voltage=36V, Manufacturer=Nexperia, Output Current=100mA, Reference current=10mA, Reference voltage=2495mV, Tolerance=2.0%, Total Power Dissipation=580mW, Working Temperature Max=+85°С, Working Temperature Min=-40°С, Application Category=1, Article 1C=0984668, Functional Analog=AS431H, ID=1, Part Number=TL431IDBZR.215, Type=Микросхема
DA8: library part AMS1117-3.3, "Стабилизатор напряжения", Manufacturer=UMW, Max Current=0.8A, Package=SOT-223, Article=9001169164, Part Number=AMS1117-3.3, Price=9, Type=Микросхема
DA17 DA18: library part L7805ACD2T-TR, "Стабилизатор напряжения", Manufacturer=STMicroelectronics, Max Current=1.5A, Package=D2PAK, Article=9000076530, Part Number=L7805ACD2T-TR, Price=76, Type=Микросхема
DA19 DA20 DA21 DA22 DA28: "Датчик тока", Manufacturer="Allegro Systems", Package=SOIC-8, Article=8010447146, Part Number=ACS712ELCTR-05B-T, Price=220
DD1 DD2 DD3: library part SN74HC00D, "SNx4HC00 Quadruple 2-Input NAND Gates", High-level output current=-20mA, Input Voltage (max)=5.9V, Low-level output current=20mA, Manufacturer="Texas Instruments", Output Voltage (max)=Vcc, Power dissipation (max)=-, Supply Current=20uA, Working Temperature Max=+85°C, Working Temperature Min=-40°C, Application Category=1, Article 1C=0988355, Channels=4, Function=NAND, ID=18, Part Number=SN74HC00D, Polarity=Inverting, Response Time=400nS, Supply Operation=+2…6V, Type=Микросхема
DD4: library part STM32F303RBT6, "STM32F303RBT6", Manufacturer=STMicroelectronics, Operating temperature="-40°C to 85°C", Operation Frequency=72MHz, Voltage range="1.7 V to 3.6 V", ADC=4, Article=9001089793, Clock management="4 to 32 MHz crystal oscillator", Core=Cortex®-M4, DAC=2, Flash=128KB, I/O Lines=87, Part Number=STM32F303RBT6, Price=410, Timers=13, Type=Микроконтроллер
DD5: "Высокоскоростной CAN-Трансивер, 1Мб/с, 12В/24В, до 112 узлов", Manufacturer=Microchip, Package=SO-8, Part Number=MCP2551T-I/SN, Article=9000071123, Price=160, Type=Микросхема
DD6: "Преобразователь уровней 5В-3,3В", Manufacturer=Nexperia, Package=TSSOP-24, Article=9000002267, Part Number=74LVC4245APW,118, Price=140, Type=Микросхема
L1: library part ACM7060-701-2PL-TL01, Manufacturer=TDK, Article=9000322175, Part Number=ACM7060-701-2PL-TL01, Price=340, Type=Дроссель
L2 L3: library part B82472G6472M000, "Дроссель", Manufacturer=Epcos, Max Current="2.5 A", Article=9000504715, Part Number=B82472G6472M000, Type=Дроссель
L4: library part BLM18HG102SN1D, "Дроссель", Manufacturer=Murata, Max Current="0,1 А", Package=0603, Article=218909268, Part Number=BLM18HG102SN1D, Type=Дроссель
R1 R11 R12 R20 R22 R57 R59 R68 R80 R81 R82 R83 R84 R85 R87 R88 R89: library part "0.25Вт 1206 100 кОм, 1%", "Резистор", Manufacturer=Тайвань, Package=1206, Article=9000079697, Part Number="0.25Вт 1206 100 кОм, 1%", Price=6, Type=Резистор
R2: library part "С2-29В-0,125-20 кОм ± 0,05 %-1.0-А", "Резистор", Part Number="С2-29В-0,125-20 кОм ± 0,05 %-1.0-А", Type=Резистор
R3 R5 R15 R21: library part RC1206JR-070RL, "Резистор", Limit Voltage=200В, Manufacturer=Yageo, Temperature Coefficient=100ppm, Tolerance=±5%, Total Power Dissipation=0.25W, Working Temperature Max=+155°С, Working Temperature Min=-55°С, Application Category=1, ID=167, Part Number=RC1206JR-070RL, Series Type=Thick-Film, Type=Резистор
R4: library part "0.25Вт 1206 30 кОм, 1%", "Резистор", Manufacturer=Тайвань, Package=1206, Article=9000079684, Part Number="0.25Вт 1206 30 кОм, 1%", Price=6, Type=Резистор
R6 R7 R8 R9 R30 R31 R32 R33 R34 R35 R36 R37 R38 R39 R40 R41 R90 R91 R92 R99 R101 R103: library part "0.25Вт 1206 1 кОм, 1%", "Резистор", Manufacturer=Тайвань, Package=1206, Article=9000079635, Part Number="0.25Вт 1206 1 кОм, 1%", Price=6, Type=Резистор
R10 R24 R56 R76 R77 R78 R79 R86: library part "0.25Вт 1206 2 кОм, 5%", "Резистор", Manufacturer=Тайвань, Package=1206, Article=984099856, Part Number="0.25Вт 1206 2 кОм, 5%", Price=6, Type=Резистор
R13 R14 R95 R96: library part RC1206JR-07150RL, "Резистор", Limit Voltage=200В, Manufacturer=Yageo, Temperature Coefficient=100ppm, Tolerance=±5%, Total Power Dissipation=0.25W, Working Temperature Max=+155°С, Working Temperature Min=-55°С, Application Category=1, ID=182, Part Number=RC1206JR-07150RL, Series Type=Thick-Film, Type=Резистор
R16: library part "С2-29В-0,125-8,25 кОм ± 0,05 %-1.0-А", "Резистор", Part Number="С2-29В-0,125-8,25 кОм ± 0,05 %-1.0-А", Type=Резистор
R17: library part "С2-29В-0,125-9,09 кОм ± 0,05 %-1.0-А", "Резистор", Part Number="С2-29В-0,125-9,09 кОм ± 0,05 %-1.0-А", Type=Резистор
R18 R19 R27 R28 R42 R43 R44 R45 R46 R47 R48 R49 R50 R51 R53 R54 R55 R58 R60 R61 R62 R63 R64 R65 R66 R67 R69 R70 R71 R72 R73 R74 R75 R93 R94 R97 R98 R100 R102 R104: library part "0.25Вт 1206 10 кОм, 1%", "Резистор", Manufacturer=Тайвань, Package=1206, Article=9000079659, Part Number="0.25Вт 1206 10 кОм, 1%", Price=6, Type=Резистор
R23: library part "Р1-12-0,25-200 Ом ± 5 % - М", "Резистор", Limit Voltage=200В, Manufacturer="ОАО \"Ресурс\"", Temperature Coefficient=250ppm, Tolerance=±5%, Total Power Dissipation=0,25W, Working Temperature Max=+85°С, Working Temperature Min=-60°С, Application Category=5, Article 1C=000495, ID=135, Part Number="Р1-12-0,25-200 Ом ± 5 % - М", Specification=ШКАБ.434110.002ТУ, Type=Резистор
R25: library part "С2-29В-0,125-100 кОм ± 0,05 %-1.0-А", "Резистор", Part Number="С2-29В-0,125-100 кОм ± 0,05 %-1.0-А", Type=Резистор
R26: library part "Р1-12-0,25-2,2 кОм ± 5 % - М", "Резистор", Limit Voltage=200В, Manufacturer="ОАО \"Ресурс\"", Temperature Coefficient=250ppm, Tolerance=±5%, Total Power Dissipation=0,25W, Working Temperature Max=+85°С, Working Temperature Min=-60°С, Application Category=5, Article 1C=-, ID=156, Part Number="Р1-12-0,25-2,2 кОм ± 5 % - М", Specification=ШКАБ.434110.002ТУ, Type=Резистор
R29: library part "С2-29В-0,125-715 Ом ± 0,05 %-1.0-А", "Резистор", Part Number="С2-29В-0,125-715 Ом ± 0,05 %-1.0-А", Type=Резистор
R52: library part "С2-29В-0,125-23 кОм ± 0,05 %-1.0-А", "Резистор", Part Number="С2-29В-0,125-23 кОм ± 0,05 %-1.0-А", Type=Резистор
R105: library part "С2-29В-0,125-120 Ом ± 0,05 %-1.0-А_1", "Резистор", Part Number="С2-29В-0,125-120 Ом ± 0,05 %-1.0-А", Type=Резистор
R106 R107: library part "0805 4.7кОм ±5% 0.125Вт", "Резистор", Manufacturer=Тайвань, Package=0805, Article=8026382694, Part Number="0805 4.7кОм ±5% 0.125Вт", Price=3, Type=Резистор
SB1 SB2: library part KLS7-TS6601-7.0-180, Manufacturer=KLS, Article=9000336827, Part Number=KLS7-TS6601-7.0-180, Price=9, Type=Переключатель
VD1 VD4: "Ограничитель напряжения", Manufacturer=Sunmate, Package=DO214AA/SMB, Article=9001052836, Part Number=SM6T36CA, Price=9, Type="Ограничитель напряжения"
VD2 VD3 VD12 VD13 VD14: library part B340A, "Диод Шоттки", Current="3 A", Manufacturer=Vishay, Package=SMA, Reverse Voltage="40 V", Article=9001002895, Part Number=B340A, Price=7, Type="Диод Шоттки"
VD5 VD6 VD7 VD8 VD9 VD10 VD11: library part BZX84-C3V3, Capacitance=450pF, Differential resistance=95ohm, Forward Current=200mA, Forward Voltage=0.9V, Manufacturer=NXP, Reverse Current=5uA, Total Power Dissipation=250mW, Working Temperature Max=+150°С, Working Temperature Min=-65°С, Working Voltage=3.3V, Application Category=1, Article 1C=088022, ID=10, Part Number=BZX84-C3V3, Type=Стабилитрон
VT1 VT2 VT3: "N-channel MOSFET", Manufacturer=UMW, Package=DPAK/TO-252, Article=9001169193, Part Number=IRFR024NTR, Price=28, Type=Транзистор
X1 X2 X5 X6 X7 X8: "Соединитель", Current="16 А", Manufacturer=KLS
  X1 X2: Part Number=KLS2-300-5.00-03P-2S, Price=35
  X5 X6 X7 X8: Article=9000329476, Part Number=KLS2-301R-5.00-02P-2S, Price=18
X3 X4 X9: "Соединитель", Current="16 А", Manufacturer=Ningbo, Article=53451, Part Number=XY301RA-5.0-3P-12, Price=41
XP1 XP2: "Вилка", Manufacturer=Connfly, Article=8841479946, Part Number=IDC-08MR, Price=15, Type=Вилка
XS1: "Розетка", Manufacturer=Connfly, Part Number=DS1023-2*20S21, Article=29417, Price=29, Type=Розетка
XS2: "Розетка", Manufacturer=Connfly, Part Number=DS1023-2*15S21, Article=26334, Price=34, Type=Розетка
XS3 XS6: "Розетка", Manufacturer=Connfly, Part Number=DS1023-1*5S21, Article=29527, Price=9, Type=Розетка
XS4: "Розетка", Manufacturer=Connfly, Part Number=DS1023-1*4S21, Article=12854, Price=9, Type=Вилка
XS5: "Розетка", Manufacturer=Connfly, Part Number=DS1023-1*8S21, Article=32562, Price=13, Type=Розетка
XS7 XS8: "Розетка", Manufacturer=Connfly, Part Number=DS1023-1*6S21, Article=63236, Price=13, Type=Розетка

## Free pads (board coordinates)
  round 5.5 hole 2.75: 1(195.925,116.025)

## Via types
v1: diameter 0.8, hole 0.4, Top Layer to Bottom Layer, tented both sides, 238 vias
v2: diameter 0.6, hole 0.3, Top Layer to Bottom Layer, tented both sides, 47 vias
v3: diameter 1.27, hole 0.711, Top Layer to Bottom Layer, tented both sides, 3 vias
v4: diameter 5.5, hole 2.7, Top Layer to Bottom Layer, 1 vias